# KiCad board panel.kicad_pcb (continued)
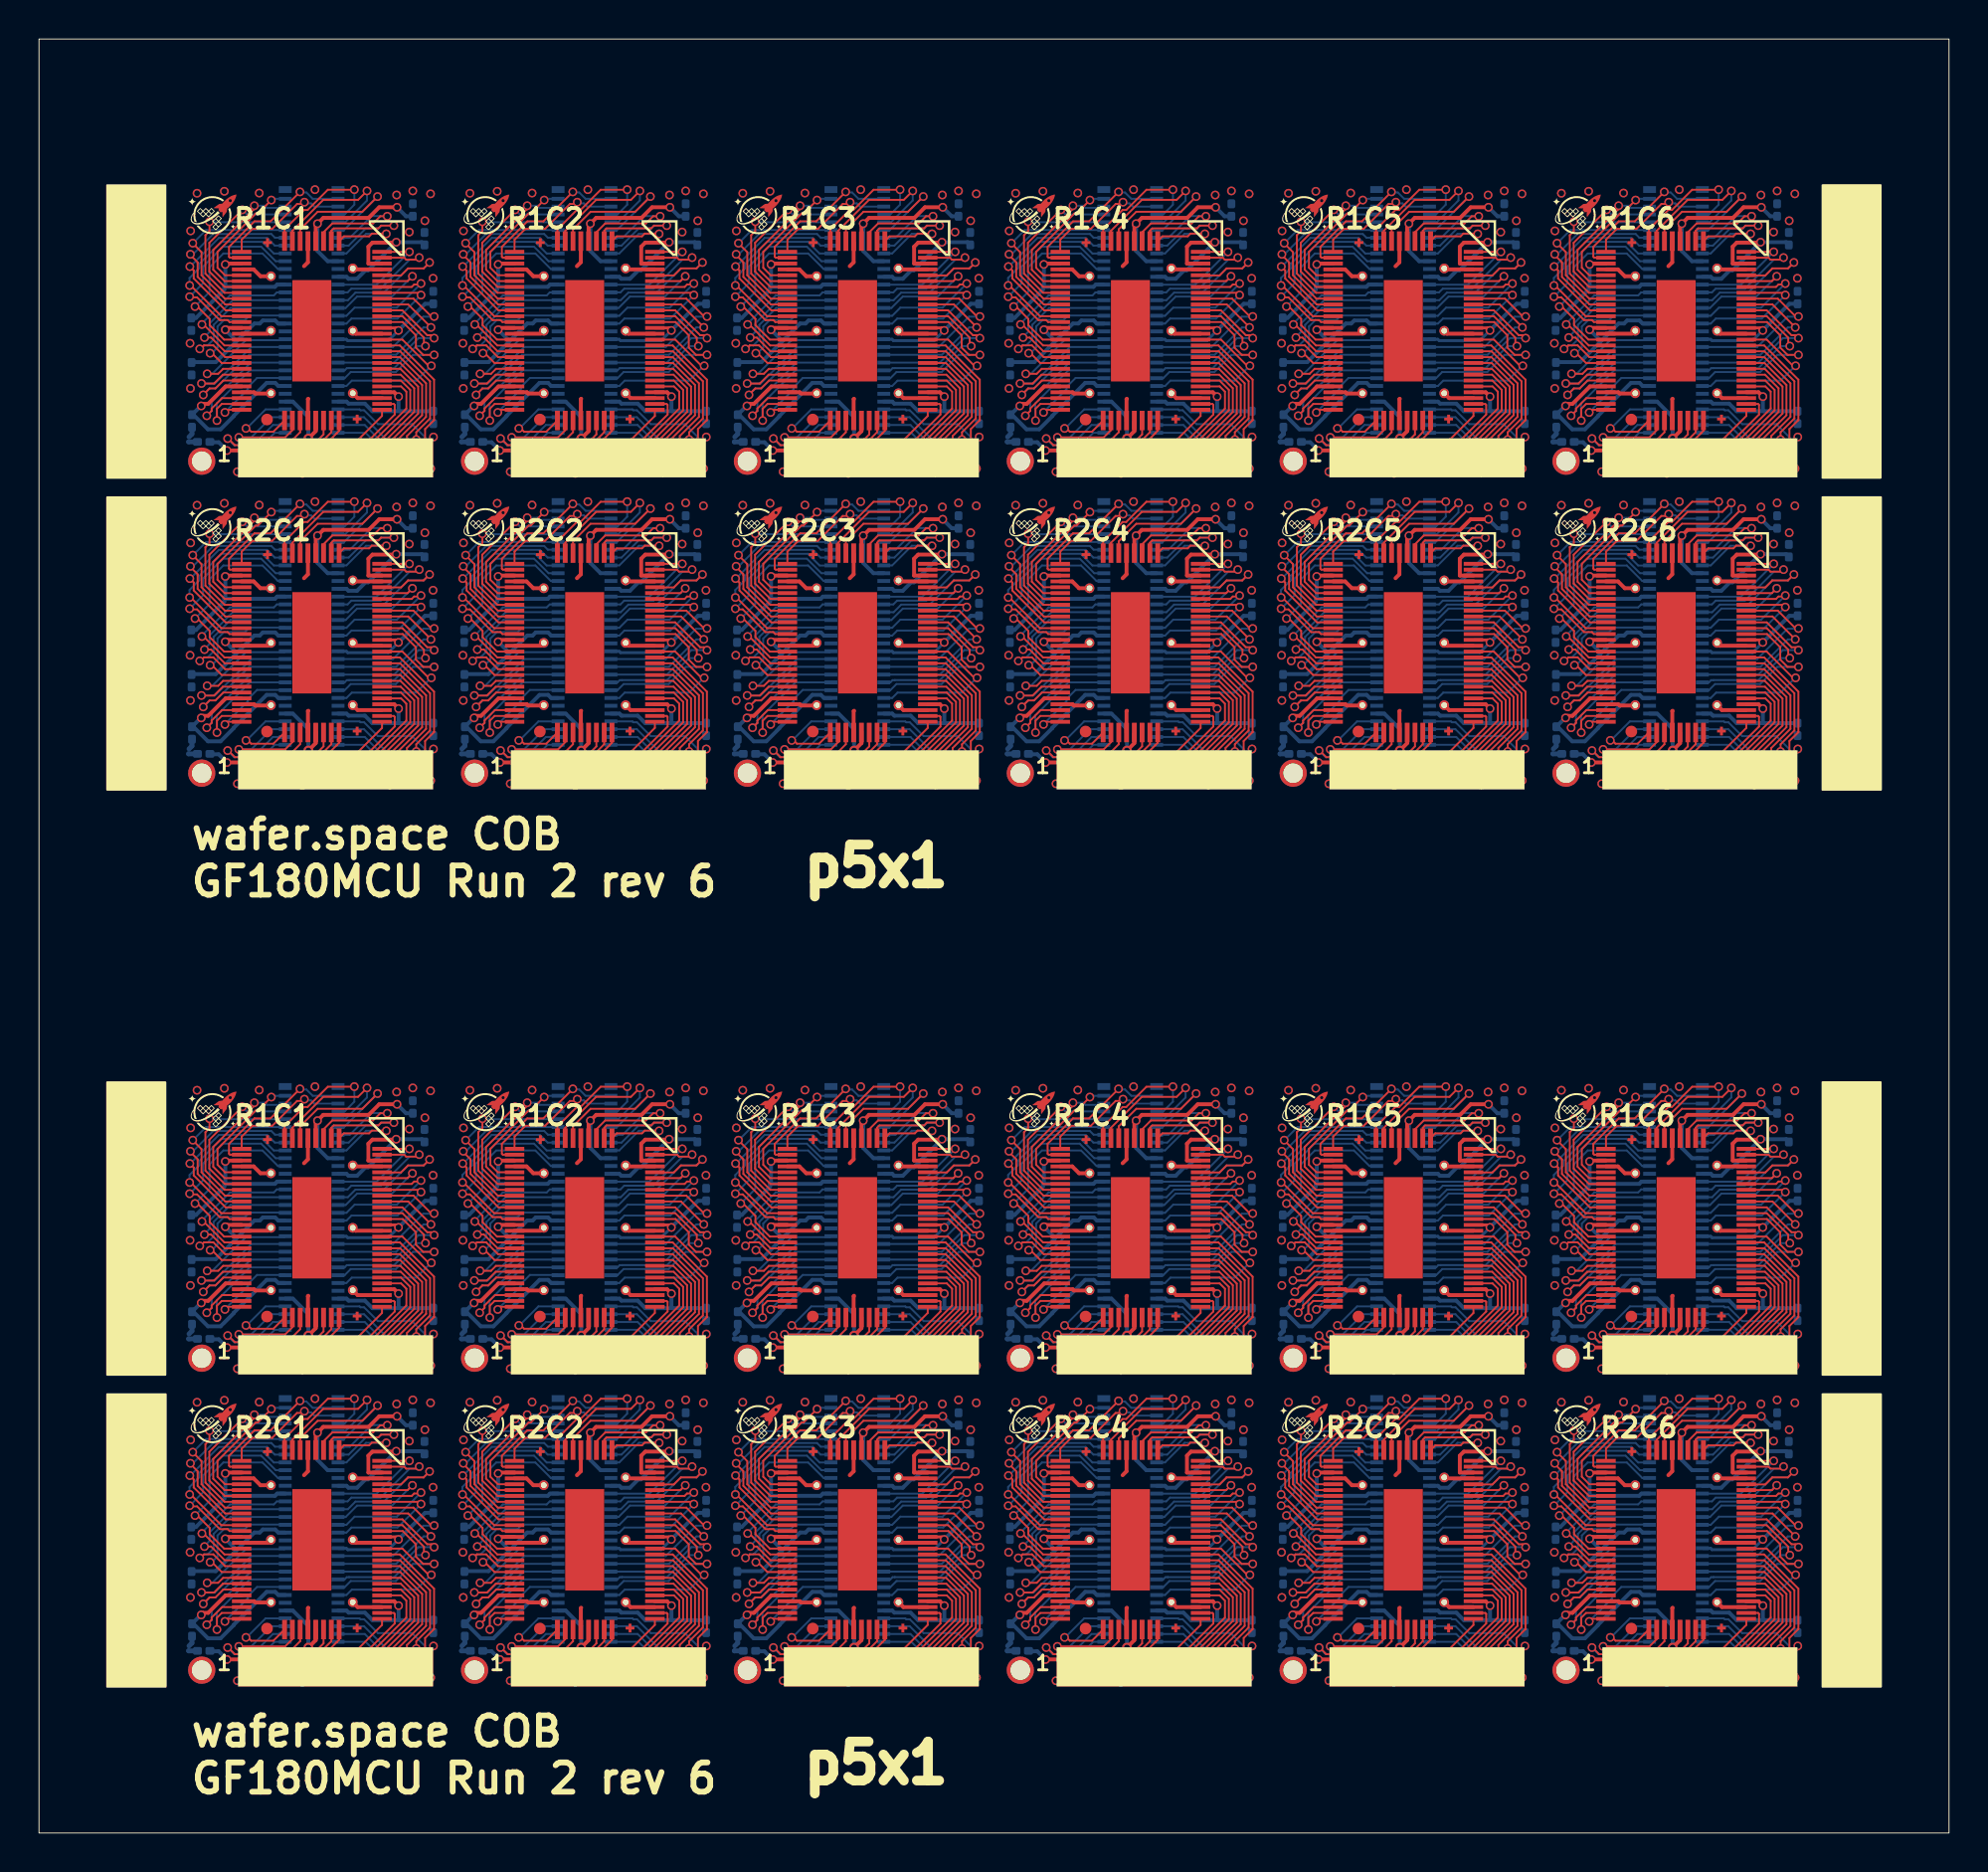
[diagram p0: board, top side]
## Routing (per net, layer and track width the routed paths; a pad name or vN(x,y) marks a point on that pad's centre or on a via; arc(x,y) is an arc through that point) (continued)
  Bottom w0.1: v1(11.07,70.2) 12.28,71.41 12.64,71.41 ; v1(67.07,8.2) 68.28,9.41 68.64,9.41 ; v1(81.07,70.2) 82.27,71.41 82.64,71.41 ; 12.64,25.41 12.28,25.41 v1(11.07,24.2) ; 54.64,71.41 54.28,71.41 v1(53.07,70.2) ; 68.64,55.41 68.28,55.41 v1(67.07,54.2) ; v1(81.07,24.2) 82.27,25.41 U111.4 ; v1(25.07,24.2) 26.28,25.41 26.64,25.41 ; 26.64,71.41 26.28,71.41 v1(25.07,70.2) ; U123.4 82.27,9.41 v1(81.07,8.2) ; v1(39.07,70.2) 40.28,71.41 40.64,71.41 ; 26.64,9.41 26.28,9.41 v1(25.07,8.2) ; v1(25.07,54.2) 26.28,55.41 26.64,55.41 ; v1(53.07,54.2) 54.28,55.41 54.64,55.41 ; 54.64,9.41 54.28,9.41 v1(53.07,8.2) ; 54.64,25.41 54.28,25.41 v1(53.07,24.2) ; 12.64,55.41 12.28,55.41 v1(11.07,54.2) ; 68.64,25.41 68.28,25.41 v1(67.07,24.2) ; 40.64,55.41 40.28,55.41 v1(39.07,54.2) ; 40.64,9.41 40.28,9.41 v1(39.07,8.2) ; 40.64,25.41 40.28,25.41 v1(39.07,24.2) ; 12.64,9.41 12.28,9.41 v1(11.07,8.2) ; U123#2.4 82.27,55.41 v1(81.07,54.2) ; v1(67.07,70.2) 68.28,71.41 68.64,71.41
/in_3: length 160.6
  Top w0.1: 71.4,10.43 71.4,9.91 71.28,9.79 71.28,9.78 71.27,9.78 69.62,8.13 69.35,8.13 69.21,7.98 67.8,7.98 v1(67.75,7.93) ; 85.4,72.43 85.4,71.91 85.28,71.79 85.28,71.78 85.27,71.78 83.62,70.13 83.35,70.13 83.21,69.98 81.8,69.98 v1(81.75,69.93) ; 43.4,26.43 43.4,25.91 43.28,25.79 43.28,25.78 43.27,25.78 41.62,24.13 41.35,24.13 41.21,23.98 39.8,23.98 v1(39.75,23.93) ; 15.4,56.43 15.4,55.91 15.28,55.79 15.28,55.78 15.27,55.78 13.62,54.13 13.35,54.13 13.21,53.98 11.8,53.98 v1(11.75,53.93) ; v1(67.75,53.93) 67.8,53.98 69.21,53.98 69.35,54.13 69.62,54.13 71.27,55.78 71.28,55.78 71.28,55.79 71.4,55.91 71.4,56.43 ; v1(25.75,69.93) 25.8,69.98 27.21,69.98 27.35,70.13 27.62,70.13 29.27,71.78 29.28,71.78 29.28,71.79 29.4,71.91 29.4,72.43 ; 15.4,10.43 15.4,9.91 15.28,9.79 15.28,9.78 15.27,9.78 13.62,8.13 13.35,8.13 13.21,7.98 11.8,7.98 v1(11.75,7.93) ; 29.4,56.43 29.4,55.91 29.28,55.79 29.28,55.78 29.27,55.78 27.62,54.13 27.35,54.13 27.21,53.98 25.8,53.98 v1(25.75,53.93) ; 57.4,10.43 57.4,9.91 57.28,9.79 57.28,9.78 57.27,9.78 55.62,8.13 55.35,8.13 55.21,7.98 53.8,7.98 v1(53.75,7.93) ; 43.4,10.43 43.4,9.91 43.28,9.79 43.28,9.78 43.27,9.78 41.62,8.13 41.35,8.13 41.21,7.98 39.8,7.98 v1(39.75,7.93) ; 71.4,26.43 71.4,25.91 71.28,25.79 71.28,25.78 71.27,25.78 69.62,24.13 69.35,24.13 69.21,23.98 67.8,23.98 v1(67.75,23.93) ; 85.4,56.43 85.4,55.91 85.28,55.79 85.28,55.78 85.27,55.78 83.62,54.13 83.35,54.13 83.21,53.98 81.8,53.98 v1(81.75,53.93) ; v1(25.75,7.93) 25.8,7.98 27.21,7.98 27.35,8.13 27.62,8.13 29.27,9.78 29.28,9.78 29.28,9.79 29.4,9.91 29.4,10.43 ; 43.4,56.43 43.4,55.91 43.28,55.79 43.28,55.78 43.27,55.78 41.62,54.13 41.35,54.13 41.21,53.98 39.8,53.98 v1(39.75,53.93) ; v1(53.75,23.93) 53.8,23.98 55.21,23.98 55.35,24.13 55.62,24.13 57.27,25.78 57.28,25.78 57.28,25.79 57.4,25.91 57.4,26.43 ; 71.4,72.43 71.4,71.91 71.28,71.79 71.28,71.78 71.27,71.78 69.62,70.13 69.35,70.13 69.21,69.98 67.8,69.98 v1(67.75,69.93) ; v1(81.75,23.93) 81.8,23.98 83.21,23.98 83.35,24.13 83.62,24.13 85.27,25.78 85.28,25.78 85.28,25.79 85.4,25.91 85.4,26.43 ; 29.4,26.43 29.4,25.91 29.28,25.79 29.28,25.78 29.27,25.78 27.62,24.13 27.35,24.13 27.21,23.98 25.8,23.98 v1(25.75,23.93) ; v1(53.75,53.93) 53.8,53.98 55.21,53.98 55.35,54.13 55.62,54.13 57.27,55.78 57.28,55.78 57.28,55.79 57.4,55.91 57.4,56.43 ; v1(81.75,7.93) 81.8,7.98 83.21,7.98 83.35,8.13 83.62,8.13 85.27,9.78 85.28,9.78 85.28,9.79 85.4,9.91 85.4,10.43 ; v1(11.75,23.93) 11.8,23.98 13.21,23.98 13.35,24.13 13.62,24.13 15.27,25.78 15.28,25.78 15.28,25.79 15.4,25.91 15.4,26.43 ; 43.4,72.43 43.4,71.91 43.28,71.79 43.28,71.78 43.27,71.78 41.62,70.13 41.35,70.13 41.21,69.98 39.8,69.98 v1(39.75,69.93) ; 15.4,72.43 15.4,71.91 15.28,71.79 15.28,71.78 15.27,71.78 13.62,70.13 13.35,70.13 13.21,69.98 11.8,69.98 v1(11.75,69.93) ; 57.4,72.43 57.4,71.91 57.28,71.79 57.28,71.78 57.27,71.78 55.62,70.13 55.35,70.13 55.21,69.98 53.8,69.98 v1(53.75,69.93)
  Bottom w0.1: U111#2.3 82.2,71 81.75,70.55 v1(81.75,69.93) ; v1(67.75,69.93) 67.75,70.55 68.2,71 68.64,71 ; v1(11.75,7.93) 11.75,8.55 12.2,9 12.64,9 ; v1(25.75,69.93) 25.75,70.55 26.2,71 26.64,71 ; 54.64,55 54.2,55 53.75,54.55 v1(53.75,53.93) ; v1(53.75,7.93) 53.75,8.55 54.2,9 54.64,9 ; 40.64,71 40.2,71 39.75,70.55 v1(39.75,69.93) ; v1(11.75,53.93) 11.75,54.55 12.2,55 12.64,55 ; 40.64,9 40.2,9 39.75,8.55 v1(39.75,7.93) ; v1(39.75,23.93) 39.75,24.55 40.2,25 40.64,25 ; U123.3 82.2,9 81.75,8.55 v1(81.75,7.93) ; v1(25.75,7.93) 25.75,8.55 26.2,9 26.64,9 ; v1(25.75,53.93) 25.75,54.55 26.2,55 26.64,55 ; 54.64,71 54.2,71 53.75,70.55 v1(53.75,69.93) ; v1(53.75,23.93) 53.75,24.55 54.2,25 54.64,25 ; 68.64,25 68.2,25 67.75,24.55 v1(67.75,23.93) ; v1(25.75,23.93) 25.75,24.55 26.2,25 26.64,25 ; v1(11.75,23.93) 11.75,24.55 12.2,25 12.64,25 ; v1(39.75,53.93) 39.75,54.55 40.2,55 40.64,55 ; U123#2.3 82.2,55 81.75,54.55 v1(81.75,53.93) ; v1(81.75,23.93) 81.75,24.55 82.2,25 U111.3 ; 12.64,71 12.2,71 11.75,70.55 v1(11.75,69.93) ; v1(67.75,7.93) 67.75,8.55 68.2,9 68.64,9 ; 68.64,55 68.2,55 67.75,54.55 v1(67.75,53.93)
/rst_n: length 149
  Top w0.1: v1(38.25,55.57) 40.63,55.57 41,55.94 U118#2.2 ; v1(80.25,71.57) 82.63,71.57 83,71.94 U112#2.2 ; v1(66.25,71.57) 68.63,71.57 69,71.94 U110.2 ; v1(52.25,9.57) 54.63,9.57 55,9.94 U120.2 ; U106#2.2 41,71.94 40.63,71.57 v1(38.25,71.57) ; U108#2.2 55,71.94 54.63,71.57 v1(52.25,71.57) ; v1(52.25,55.57) 54.63,55.57 55,55.94 U120#2.2 ; U118.2 41,9.94 40.63,9.57 v1(38.25,9.57) ; v1(10.25,9.57) 12.63,9.57 13,9.94 U114#2.2 ; U106.2 41,25.94 40.63,25.57 v1(38.25,25.57) ; v1(24.25,55.57) 26.63,55.57 27,55.94 U116.2 ; U108.2 55,25.94 54.63,25.57 v1(52.25,25.57) ; v1(24.25,25.57) 26.63,25.57 27,25.94 U104#2.2 ; U114.2 13,55.94 12.63,55.57 v1(10.25,55.57) ; v1(10.25,71.57) 12.63,71.57 13,71.94 U102.2 ; v1(24.25,9.57) 26.63,9.57 27,9.94 U116#2.2 ; v1(66.25,9.57) 68.63,9.57 69,9.94 U122#2.2 ; U122.2 69,55.94 68.63,55.57 v1(66.25,55.57) ; U104.2 27,71.94 26.63,71.57 v1(24.25,71.57) ; U124.2 83,9.94 82.63,9.57 v1(80.25,9.57) ; U112.2 83,25.94 82.63,25.57 v1(80.25,25.57) ; U124#2.2 83,55.94 82.63,55.57 v1(80.25,55.57) ; U102#2.2 13,25.94 12.63,25.57 v1(10.25,25.57) ; U110#2.2 69,25.94 68.63,25.57 v1(66.25,25.57)
  Bottom w0.1: U111#2.7 81.92,72.61 80.89,71.57 v1(80.25,71.57) ; 26.64,56.61 25.92,56.61 24.89,55.57 v1(24.25,55.57) ; 40.64,72.61 39.92,72.61 38.89,71.57 v1(38.25,71.57) ; v1(80.25,55.57) 80.89,55.57 81.92,56.61 U123#2.7 ; U123.7 81.92,10.61 80.89,9.57 v1(80.25,9.57) ; 26.64,10.61 25.92,10.61 24.89,9.57 v1(24.25,9.57) ; v1(10.25,71.57) 10.89,71.57 11.92,72.61 12.64,72.61 ; v1(52.25,9.57) 52.89,9.57 53.92,10.61 54.64,10.61 ; v1(66.25,71.57) 66.89,71.57 67.92,72.61 68.64,72.61 ; 26.64,72.61 25.92,72.61 24.89,71.57 v1(24.25,71.57) ; 40.64,10.61 39.92,10.61 38.89,9.57 v1(38.25,9.57) ; 12.64,10.61 11.92,10.61 10.89,9.57 v1(10.25,9.57) ; v1(24.25,25.57) 24.89,25.57 25.92,26.61 26.64,26.61 ; v1(66.25,55.57) 66.89,55.57 67.92,56.61 68.64,56.61 ; v1(38.25,55.57) 38.89,55.57 39.92,56.61 40.64,56.61 ; v1(52.25,71.57) 52.89,71.57 53.92,72.61 54.64,72.61 ; 12.64,56.61 11.92,56.61 10.89,55.57 v1(10.25,55.57) ; 54.64,56.61 53.92,56.61 52.89,55.57 v1(52.25,55.57) ; 12.64,26.61 11.92,26.61 10.89,25.57 v1(10.25,25.57) ; v1(80.25,25.57) 80.89,25.57 81.92,26.61 U111.7 ; 40.64,26.61 39.92,26.61 38.89,25.57 v1(38.25,25.57) ; 54.64,26.61 53.92,26.61 52.89,25.57 v1(52.25,25.57) ; 68.64,10.61 67.92,10.61 66.89,9.57 v1(66.25,9.57) ; v1(66.25,25.57) 66.89,25.57 67.92,26.61 68.64,26.61
PWR_AUX_0: length 158.3
  Top w0.15: 31.6,31.19 32.32,31.19 v1(32.45,31.06) ; v1(18.45,77.06) 18.32,77.19 U102.23 ; 87.6,31.19 88.32,31.19 v1(88.45,31.06) ; 17.6,31.19 18.32,31.19 v1(18.45,31.06) ; v1(74.45,31.06) 74.32,31.19 73.6,31.19 ; 45.6,15.19 46.32,15.19 v1(46.45,15.06) ; v1(60.45,61.06) 60.32,61.19 59.6,61.19 ; v1(32.45,15.06) 32.32,15.19 31.6,15.19 ; v1(88.45,15.06) 88.32,15.19 87.6,15.19 ; v1(18.45,15.06) 18.32,15.19 17.6,15.19 ; v1(88.45,61.06) 88.32,61.19 87.6,61.19 ; U106#2.23 46.32,77.19 v1(46.45,77.06) ; 45.6,61.19 46.32,61.19 v1(46.45,61.06) ; 59.6,15.19 60.32,15.19 v1(60.45,15.06) ; v1(32.45,77.06) 32.32,77.19 U104.23 ; 45.6,31.19 46.32,31.19 v1(46.45,31.06) ; v1(74.45,15.06) 74.32,15.19 73.6,15.19 ; v1(88.45,77.06) 88.32,77.19 U112#2.23 ; 17.6,61.19 18.32,61.19 v1(18.45,61.06) ; 73.6,61.19 74.32,61.19 v1(74.45,61.06) ; v1(32.45,61.06) 32.32,61.19 31.6,61.19 ; U108#2.23 60.32,77.19 v1(60.45,77.06) ; U110.23 74.32,77.19 v1(74.45,77.06) ; v1(60.45,31.06) 60.32,31.19 59.6,31.19
  Bottom w0.15: v1(32.45,15.06) 31.92,14.53 29.84,14.53 29.77,14.6 29.35,14.6 U115.54 ; v1(74.45,61.06) 73.92,60.53 71.84,60.53 71.77,60.6 71.35,60.6 71.35,60.61 ; v1(60.45,31.06) 59.92,30.53 57.84,30.53 57.77,30.6 57.35,30.6 U107.54 ; U105.54 43.35,76.6 43.77,76.6 43.84,76.53 45.92,76.53 v1(46.45,77.06) ; v1(46.45,31.06) 45.92,30.53 43.84,30.53 43.77,30.6 43.35,30.6 U105#2.54 ; v1(74.45,15.06) 73.92,14.53 71.84,14.53 71.77,14.6 71.35,14.6 71.35,14.61 ; U123#2.54 85.35,60.6 85.77,60.6 85.84,60.53 87.92,60.53 v1(88.45,61.06) ; U101.54 15.35,30.6 15.77,30.6 15.84,30.53 17.92,30.53 v1(18.45,31.06) ; U111.54 85.35,30.6 85.77,30.6 85.84,30.53 87.92,30.53 v1(88.45,31.06) ; v1(32.45,31.06) 31.92,30.53 29.84,30.53 29.77,30.6 29.35,30.6 U103.54 ; 71.35,30.61 71.35,30.6 71.77,30.6 71.84,30.53 73.92,30.53 v1(74.45,31.06) ; U115#2.54 29.35,60.6 29.77,60.6 29.84,60.53 31.92,60.53 v1(32.45,61.06) ; v1(32.45,77.06) 31.92,76.53 29.84,76.53 29.77,76.6 29.35,76.6 U103#2.54 ; v1(46.45,15.06) 45.92,14.53 43.84,14.53 43.77,14.6 43.35,14.6 U117.54 ; U117#2.54 43.35,60.6 43.77,60.6 43.84,60.53 45.92,60.53 v1(46.45,61.06) ; 71.35,76.61 71.35,76.6 71.77,76.6 71.84,76.53 73.92,76.53 v1(74.45,77.06) ; U113#2.54 15.35,60.6 15.77,60.6 15.84,60.53 17.92,60.53 v1(18.45,61.06) ; v1(18.45,15.06) 17.92,14.53 15.84,14.53 15.77,14.6 15.35,14.6 U113.54 ; v1(60.45,77.06) 59.92,76.53 57.84,76.53 57.77,76.6 57.35,76.6 U107#2.54 ; v1(88.45,15.06) 87.92,14.53 85.84,14.53 85.77,14.6 85.35,14.6 U123.54 ; v1(18.45,77.06) 17.92,76.53 15.84,76.53 15.77,76.6 15.35,76.6 U101#2.54 ; v1(88.45,77.06) 87.92,76.53 85.84,76.53 85.77,76.6 85.35,76.6 U111#2.54 ; v1(60.45,15.06) 59.92,14.53 57.84,14.53 57.77,14.6 57.35,14.6 U119#2.54 ; v1(60.45,61.06) 59.92,60.53 57.84,60.53 57.77,60.6 57.35,60.6 U119.54
  Bottom w0.2: v1(46.45,31.06) 47.81,32.42 C121.1 ; C137#2.1 75.81,32.42 v1(74.45,31.06) ; C105#2.1 19.81,32.42 v1(18.45,31.06) ; v1(18.45,77.06) 19.81,78.42 C105.1 ; C177.1 61.81,16.42 v1(60.45,15.06) ; v1(88.45,77.06) 89.81,78.42 C145.1 ; C129.1 61.81,32.42 v1(60.45,31.06) ; v1(32.45,15.06) 33.81,16.42 C161.1 ; v1(60.45,61.06) 61.81,62.42 C177#2.1 ; v1(88.45,31.06) 89.81,32.42 C145#2.1 ; C113#2.1 33.81,78.42 v1(32.45,77.06) ; C153#2.1 19.81,16.42 v1(18.45,15.06) ; C113.1 33.81,32.42 v1(32.45,31.06) ; v1(32.45,61.06) 33.81,62.42 C161#2.1 ; v1(74.45,61.06) 75.81,62.42 C185.1 ; v1(74.45,15.06) 75.81,16.42 C185#2.1 ; C193.1 89.81,62.42 v1(88.45,61.06) ; v1(18.45,61.06) 19.81,62.42 C153.1 ; C137.1 75.81,78.42 v1(74.45,77.06) ; v1(88.45,15.06) 89.81,16.42 C193#2.1 ; v1(60.45,77.06) 61.81,78.42 C129#2.1 ; v1(46.45,77.06) 47.81,78.42 C121#2.1 ; C169#2.1 47.81,16.42 v1(46.45,15.06) ; C169.1 47.81,62.42 v1(46.45,61.06)
PWR_AUX_1: length 179.9
  Top w0.2: 80.4,61.19 79.65,61.19 v1(79.56,61.09) ; v1(79.56,31.09) 79.65,31.19 80.4,31.19 ; v1(51.56,31.09) 51.66,31.19 52.4,31.19 ; v1(37.56,61.09) 37.66,61.19 38.4,61.19 ; 24.4,15.19 23.66,15.19 v1(23.56,15.09) ; v1(9.56,15.09) 9.66,15.19 10.4,15.19 ; U104.58 23.66,77.19 v1(23.56,77.09) ; v1(79.56,15.09) 79.65,15.19 80.4,15.19 ; 24.4,31.19 23.66,31.19 v1(23.56,31.09) ; v1(65.56,61.09) 65.66,61.19 66.4,61.19 ; 52.4,61.19 51.66,61.19 v1(51.56,61.09) ; U106#2.58 37.66,77.19 v1(37.56,77.09) ; v1(9.56,61.09) 9.66,61.19 10.4,61.19 ; 52.4,15.19 51.66,15.19 v1(51.56,15.09) ; U112#2.58 79.65,77.19 v1(79.56,77.09) ; 38.4,15.19 37.66,15.19 v1(37.56,15.09) ; 38.4,31.19 37.66,31.19 v1(37.56,31.09) ; U102.58 9.66,77.19 v1(9.56,77.09) ; v1(65.56,77.09) 65.66,77.19 U110.58 ; 10.4,31.19 9.66,31.19 v1(9.56,31.09) ; v1(65.56,31.09) 65.66,31.19 66.4,31.19 ; v1(23.56,61.09) 23.66,61.19 24.4,61.19 ; 66.4,15.19 65.66,15.19 v1(65.56,15.09) ; U108#2.58 51.66,77.19 v1(51.56,77.09)
  Bottom w0.2: v1(37.56,31.09) 38.09,30.56 38.09,30.45 ; 38.09,30.45 39.05,31.41 39.33,31.41 39.49,31.57 40.12,31.57 40.28,31.41 40.64,31.41 ; 38.09,30.45 37.07,29.43 35.87,29.43 35.84,29.46 ; 7.84,75.46 7.87,75.43 9.07,75.43 10.09,76.45 ; 66.09,14.45 67.05,15.41 67.33,15.41 67.49,15.57 68.12,15.57 68.28,15.41 68.64,15.41 ; 66.09,14.45 65.07,13.43 63.87,13.43 63.84,13.46 ; 66.09,14.45 66.09,14.56 v1(65.56,15.09) ; 66.09,30.45 65.07,29.43 63.87,29.43 63.84,29.46 ; 66.09,30.45 67.05,31.41 67.33,31.41 67.49,31.57 68.12,31.57 68.28,31.41 68.64,31.41 ; 66.09,30.45 66.09,30.56 v1(65.56,31.09) ; 66.09,76.45 65.07,75.43 63.87,75.43 63.84,75.46 ; 66.09,76.45 67.05,77.41 67.33,77.41 67.49,77.56 68.12,77.56 68.28,77.41 68.64,77.41 ; 66.09,76.45 66.09,76.56 v1(65.56,77.09) ; 38.09,76.45 38.09,76.56 v1(37.56,77.09) ; 38.09,76.45 37.07,75.43 35.87,75.43 35.84,75.46 ; 38.09,76.45 39.05,77.41 39.33,77.41 39.49,77.56 40.12,77.56 40.28,77.41 40.64,77.41 ; 24.09,14.45 25.05,15.41 25.33,15.41 25.49,15.57 26.12,15.57 26.28,15.41 26.64,15.41 ; 24.09,14.45 23.07,13.43 21.87,13.43 21.84,13.46 ; 24.09,14.45 24.09,14.56 v1(23.56,15.09) ; 77.84,59.46 77.87,59.43 79.07,59.43 80.09,60.45 ; 24.09,76.45 24.09,76.56 v1(23.56,77.09) ; 24.09,76.45 25.05,77.41 25.33,77.41 25.49,77.56 26.12,77.56 26.28,77.41 26.64,77.41 ; 24.09,76.45 23.07,75.43 21.87,75.43 21.84,75.46 ; v1(37.56,61.09) 38.09,60.56 38.09,60.45 ; 38.09,60.45 39.05,61.41 39.33,61.41 39.49,61.57 40.12,61.57 40.28,61.41 40.64,61.41 ; 38.09,60.45 37.07,59.43 35.87,59.43 35.84,59.46 ; 10.09,14.45 10.09,14.56 v1(9.56,15.09) ; 10.09,14.45 9.07,13.43 7.87,13.43 7.84,13.46 ; 10.09,14.45 11.05,15.41 11.33,15.41 11.49,15.57 12.12,15.57 12.28,15.41 12.64,15.41 ; 52.09,76.45 52.09,76.56 v1(51.56,77.09) ; 52.09,76.45 53.05,77.41 53.33,77.41 53.49,77.56 54.12,77.56 54.28,77.41 54.64,77.41 ; 52.09,76.45 51.07,75.43 49.87,75.43 49.84,75.46 ; 52.09,60.45 51.07,59.43 49.87,59.43 49.84,59.46 ; 52.09,60.45 53.05,61.41 53.33,61.41 53.49,61.57 54.12,61.57 54.28,61.41 54.64,61.41 ; 52.09,60.45 52.09,60.56 v1(51.56,61.09) ; 38.09,14.45 37.07,13.43 35.87,13.43 35.84,13.46 ; 38.09,14.45 39.05,15.41 39.33,15.41 39.49,15.57 40.12,15.57 40.28,15.41 40.64,15.41 ; 38.09,14.45 38.09,14.56 v1(37.56,15.09) ; 82.64,15.41 82.28,15.41 82.12,15.57 81.49,15.57 81.33,15.41 81.05,15.41 80.09,14.45 ; 82.64,31.41 82.28,31.41 82.12,31.57 81.49,31.57 81.33,31.41 81.05,31.41 80.09,30.45 ; 26.64,31.41 26.28,31.41 26.12,31.57 25.49,31.57 25.33,31.41 25.05,31.41 24.09,30.45 ; 49.84,29.46 49.87,29.43 51.07,29.43 52.09,30.45 ; 80.09,60.45 81.05,61.41 81.33,61.41 81.49,61.57 82.12,61.57 82.28,61.41 82.64,61.41 ; 80.09,60.45 80.09,60.56 v1(79.56,61.09) ; 10.09,30.45 9.07,29.43 7.87,29.43 7.84,29.46 ; 10.09,30.45 10.09,30.56 v1(9.56,31.09) ; 10.09,30.45 11.05,31.41 11.33,31.41 11.49,31.57 12.12,31.57 12.28,31.41 12.64,31.41 ; 54.64,15.41 54.28,15.41 54.12,15.57 53.49,15.57 53.33,15.41 53.05,15.41 52.09,14.45 ; 80.09,76.45 79.07,75.43 77.87,75.43 77.84,75.46 ; 80.09,76.45 81.05,77.41 81.33,77.41 81.49,77.56 82.12,77.56 82.28,77.41 U111#2.19 ; 80.09,76.45 80.09,76.56 v1(79.56,77.09) ; 24.09,60.45 25.05,61.41 25.33,61.41 25.49,61.57 26.12,61.57 26.28,61.41 26.64,61.41 ; 24.09,60.45 23.07,59.43 21.87,59.43 21.84,59.46 ; 24.09,60.45 24.09,60.56 v1(23.56,61.09) ; 10.09,60.45 9.07,59.43 7.87,59.43 7.84,59.46 ; 10.09,60.45 10.09,60.56 v1(9.56,61.09) ; 10.09,60.45 11.05,61.41 11.33,61.41 11.49,61.57 12.12,61.57 12.28,61.41 12.64,61.41 ; 52.09,30.45 52.09,30.56 v1(51.56,31.09) ; 52.09,30.45 53.05,31.41 53.33,31.41 53.49,31.57 54.12,31.57 54.28,31.41 54.64,31.41 ; v1(9.56,77.09) 10.09,76.56 10.09,76.45 ; 10.09,76.45 11.05,77.41 11.33,77.41 11.49,77.56 12.12,77.56 12.28,77.41 12.64,77.41 ; 66.09,60.45 67.05,61.41 67.33,61.41 67.49,61.57 68.12,61.57 68.28,61.41 68.64,61.41 ; 66.09,60.45 65.07,59.43 63.87,59.43 63.84,59.46 ; 66.09,60.45 66.09,60.56 v1(65.56,61.09) ; 80.09,14.45 80.09,14.56 v1(79.56,15.09) ; 80.09,14.45 79.07,13.43 77.87,13.43 77.84,13.46 ; 52.09,14.45 51.07,13.43 49.87,13.43 49.84,13.46 ; 52.09,14.45 52.09,14.56 v1(51.56,15.09) ; 24.09,30.45 24.09,30.56 v1(23.56,31.09) ; 24.09,30.45 23.07,29.43 21.87,29.43 21.84,29.46 ; 80.09,30.45 80.09,30.56 v1(79.56,31.09) ; 80.09,30.45 79.07,29.43 77.87,29.43 77.84,29.46

## Copper pours and planes (outline as drawn; the poured copper is in the pictures)
GND on Top, Bottom, In1.Cu, In2.Cu: 63,69 49,69 49,85 63,85
GND on Top, Bottom, In1.Cu, In2.Cu: 63,53 49,53 49,69 63,69
GND on Top, Bottom, In1.Cu, In2.Cu: 77,23 63,23 63,39 77,39
GND on Top, Bottom, In1.Cu, In2.Cu: 91,23 77,23 77,39 91,39
GND on Top, Bottom, In1.Cu, In2.Cu: 21,53 7,53 7,69 21,69
GND on Top, Bottom, In1.Cu, In2.Cu: 77,69 63,69 63,85 77,85
GND on Top, Bottom, In1.Cu, In2.Cu: 21,7 7,7 7,23 21,23
GND on Top, Bottom, In1.Cu, In2.Cu: 21,69 7,69 7,85 21,85
GND on Top, Bottom, In1.Cu, In2.Cu: 63,23 49,23 49,39 63,39
GND on Top, Bottom, In1.Cu, In2.Cu: 35,69 21,69 21,85 35,85
GND on Top, Bottom, In1.Cu, In2.Cu: 77,53 63,53 63,69 77,69
GND on Top, Bottom, In1.Cu, In2.Cu: 49,7 35,7 35,23 49,23
GND on Top, Bottom, In1.Cu, In2.Cu: 49,53 35,53 35,69 49,69
GND on Top, Bottom, In1.Cu, In2.Cu: 91,53 77,53 77,69 91,69
GND on Top, Bottom, In1.Cu, In2.Cu: 49,23 35,23 35,39 49,39
GND on Top, Bottom, In1.Cu, In2.Cu: 21,23 7,23 7,39 21,39
GND on Top, Bottom, In1.Cu, In2.Cu: 77,7 63,7 63,23 77,23
GND on Top, Bottom, In1.Cu, In2.Cu: 91,7 77,7 77,23 91,23
GND on Top, Bottom, In1.Cu, In2.Cu: 35,23 21,23 21,39 35,39
GND on Top, Bottom, In1.Cu, In2.Cu: 63,7 49,7 49,23 63,23
GND on Top, Bottom, In1.Cu, In2.Cu: 35,53 21,53 21,69 35,69
GND on Top, Bottom, In1.Cu, In2.Cu: 49,69 35,69 35,85 49,85
GND on Top, Bottom, In1.Cu, In2.Cu: 35,7 21,7 21,23 35,23
GND on Top, Bottom, In1.Cu, In2.Cu: 91,69 77,69 77,85 91,85

Small or netless copper shapes (teardrops, artwork), in the pictures only: 1632 on Top, 1632 on Bottom

## Text on the board
B.Silkscreen: 70 PIN MEZZANINE / 72 PIN PADRING / VERSION: 0p5x1 | wafer.space / GF180MCU Run 2
User.Eco2: Allocated Space / For Passives
F.Silkscreen: 1 | R1C1 | R2C1 | R1C2 | R2C2 | R1C3 | R2C3 | R1C4 | R2C4 | R1C5 | R2C5 | R1C6 | R2C6 | wafer.space COB / GF180MCU Run 2 rev 6 | p5x1
User.1: V-CUT
